# KiCad board skoosk pcb.kicad_pcb
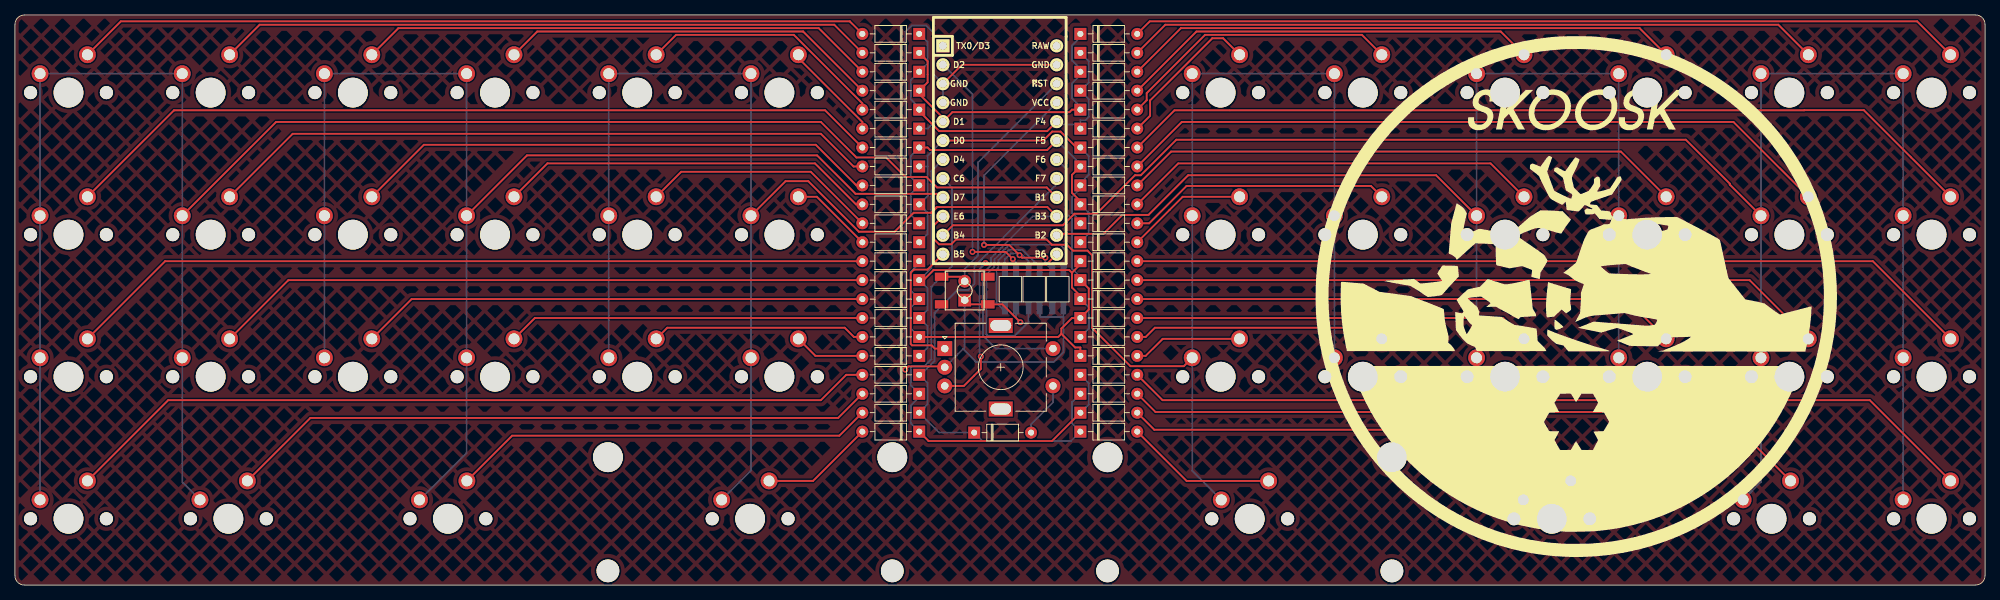
[diagram p0: board, top side]
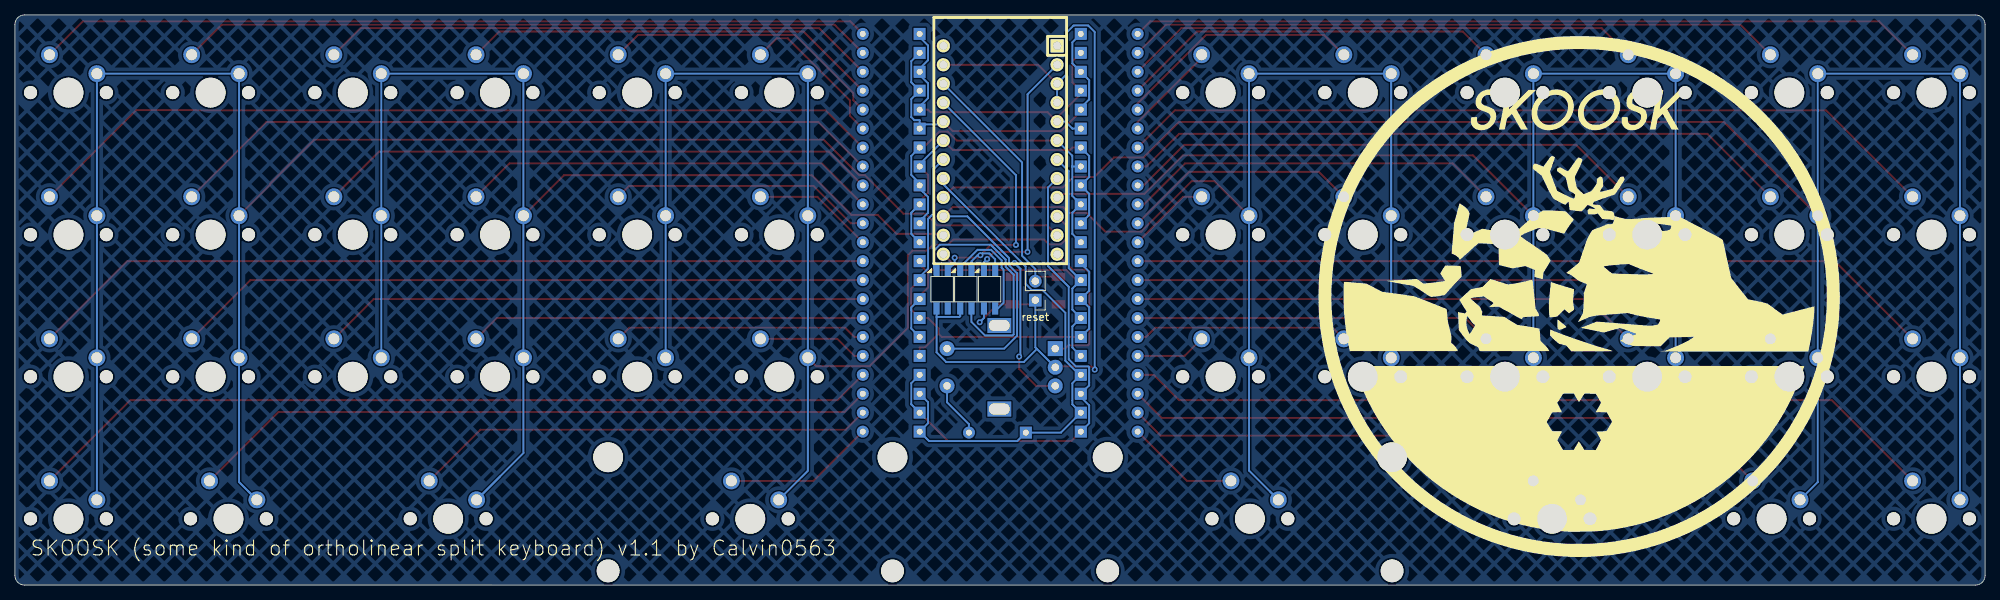
[diagram p1: board, bottom side, seen from below]

Outline 263.96 x 76.46 mm; copper layers: Top, Bottom. Coordinates in mm from the lower left corner of the outline.
Outline path: 0,75.19 0,1.27 arc(0.37,0.37) 1.27,0 262.69,0 arc(263.59,0.37) 263.96,1.27 263.96,75.19 arc(263.59,76.09) 262.69,76.46 1.27,76.46 arc(0.37,76.08) 0,75.19
Stack: Top 0.035mm / dielectric 1.51mm FR4 er 4.5 / Bottom 0.035mm

## Placement (name value [footprint] x y rotation side)
D1  D_Small  [D_DO-35_SOD27_P7.62mm_Horizontal]  121.16 73.92 180 top
D2  D_Small  [D_DO-35_SOD27_P7.62mm_Horizontal]  121.16 71.38 180 top
D3  D_Small  [D_DO-35_SOD27_P7.62mm_Horizontal]  121.16 68.84 180 top
D4  D_Small  [D_DO-35_SOD27_P7.62mm_Horizontal]  121.16 66.3 180 top
D5  D_Small  [D_DO-35_SOD27_P7.62mm_Horizontal]  121.16 63.76 180 top
D6  D_Small  [D_DO-35_SOD27_P7.62mm_Horizontal]  121.16 61.22 180 top
D7  D_Small  [D_DO-35_SOD27_P7.62mm_Horizontal]  142.75 61.22 0 top
D8  D_Small  [D_DO-35_SOD27_P7.62mm_Horizontal]  142.75 63.76 0 top
D9  D_Small  [D_DO-35_SOD27_P7.62mm_Horizontal]  142.75 66.3 0 top
D10  D_Small  [D_DO-35_SOD27_P7.62mm_Horizontal]  142.75 68.84 0 top
D11  D_Small  [D_DO-35_SOD27_P7.62mm_Horizontal]  142.75 71.38 0 top
D12  D_Small  [D_DO-35_SOD27_P7.62mm_Horizontal]  142.75 73.92 0 top
D13  D_Small  [D_DO-35_SOD27_P7.62mm_Horizontal]  121.16 58.68 180 top
D14  D_Small  [D_DO-35_SOD27_P7.62mm_Horizontal]  121.16 56.14 180 top
D15  D_Small  [D_DO-35_SOD27_P7.62mm_Horizontal]  121.16 53.6 180 top
D16  D_Small  [D_DO-35_SOD27_P7.62mm_Horizontal]  121.16 51.06 180 top
D17  D_Small  [D_DO-35_SOD27_P7.62mm_Horizontal]  121.16 48.52 180 top
D18  D_Small  [D_DO-35_SOD27_P7.62mm_Horizontal]  121.16 45.98 180 top
D19  D_Small  [D_DO-35_SOD27_P7.62mm_Horizontal]  142.75 45.98 0 top
D20  D_Small  [D_DO-35_SOD27_P7.62mm_Horizontal]  142.75 48.52 0 top
D21  D_Small  [D_DO-35_SOD27_P7.62mm_Horizontal]  142.75 51.06 0 top
D22  D_Small  [D_DO-35_SOD27_P7.62mm_Horizontal]  142.75 53.6 0 top
D23  D_Small  [D_DO-35_SOD27_P7.62mm_Horizontal]  142.75 56.14 0 top
D24  D_Small  [D_DO-35_SOD27_P7.62mm_Horizontal]  142.75 58.68 0 top
D25  D_Small  [D_DO-35_SOD27_P7.62mm_Horizontal]  121.16 43.44 180 top
D26  D_Small  [D_DO-35_SOD27_P7.62mm_Horizontal]  121.16 40.9 180 top
D27  D_Small  [D_DO-35_SOD27_P7.62mm_Horizontal]  121.16 38.36 180 top
D28  D_Small  [D_DO-35_SOD27_P7.62mm_Horizontal]  121.16 35.82 180 top
D29  D_Small  [D_DO-35_SOD27_P7.62mm_Horizontal]  121.16 33.28 180 top
D30  D_Small  [D_DO-35_SOD27_P7.62mm_Horizontal]  121.16 30.74 180 top
D31  D_Small  [D_DO-35_SOD27_P7.62mm_Horizontal]  142.75 30.74 0 top
D32  D_Small  [D_DO-35_SOD27_P7.62mm_Horizontal]  142.75 33.28 0 top
D33  D_Small  [D_DO-35_SOD27_P7.62mm_Horizontal]  142.75 35.82 0 top
D34  D_Small  [D_DO-35_SOD27_P7.62mm_Horizontal]  142.75 38.36 0 top
D35  D_Small  [D_DO-35_SOD27_P7.62mm_Horizontal]  142.75 40.9 0 top
D36  D_Small  [D_DO-35_SOD27_P7.62mm_Horizontal]  142.75 43.44 0 top
D37  D_Small  [D_DO-35_SOD27_P7.62mm_Horizontal]  121.16 28.2 180 top
D38  D_Small  [D_DO-35_SOD27_P7.62mm_Horizontal]  121.16 25.66 180 top
D39  D_Small  [D_DO-35_SOD27_P7.62mm_Horizontal]  121.16 23.12 180 top
D40  D_Small  [D_DO-35_SOD27_P7.62mm_Horizontal]  121.16 20.58 180 top
D41  D_Small  [D_DO-35_SOD27_P7.62mm_Horizontal]  142.75 20.58 0 top
D42  D_Small  [D_DO-35_SOD27_P7.62mm_Horizontal]  142.75 23.12 0 top
D43  D_Small  [D_DO-35_SOD27_P7.62mm_Horizontal]  142.75 25.66 0 top
D44  D_Small  [D_DO-35_SOD27_P7.62mm_Horizontal]  142.75 28.2 0 top
D51  D_Small  [D_DO-35_SOD27_P7.62mm_Horizontal]  128.52 20.45 0 top
Drgb1  WS2812-2020  [SK6812-MINI-E]  133.38 39.68 90 bottom
Drgb2  WS2812-2020  [SK6812-MINI-E]  136.56 39.68 90 bottom
Drgb3  WS2812-2020  [SK6812-MINI-E]  139.73 39.68 90 bottom
Gback  -  [LOGO]  54.31 38.62 180 bottom
Gfront  -  [LOGO]  209.27 38.62 0 top
MX1  MX-NoLED  [MXOnly-1U-NoLED]  7.18 66.04 0 top
MX2  MX-NoLED  [MXOnly-1U-NoLED]  26.23 66.04 0 top
MX3  MX-NoLED  [MXOnly-1U-NoLED]  45.28 66.04 0 top
MX4  MX-NoLED  [MXOnly-1U-NoLED]  64.33 66.04 0 top
MX5  MX-NoLED  [MXOnly-1U-NoLED]  83.38 66.04 0 top
MX6  MX-NoLED  [MXOnly-1U-NoLED]  102.43 66.04 0 top
MX7  MX-NoLED  [MXOnly-1U-NoLED]  161.54 66.04 0 top
MX8  MX-NoLED  [MXOnly-1U-NoLED]  180.59 66.04 0 top
MX9  MX-NoLED  [MXOnly-1U-NoLED]  199.64 66.04 0 top
MX10  MX-NoLED  [MXOnly-1U-NoLED]  218.69 66.04 0 top
MX11  MX-NoLED  [MXOnly-1U-NoLED]  237.74 66.04 0 top
MX12  MX-NoLED  [MXOnly-1U-NoLED]  256.79 66.04 0 top
MX13  MX-NoLED  [MXOnly-1U-NoLED]  7.18 46.99 0 top
MX14  MX-NoLED  [MXOnly-1U-NoLED]  26.23 46.99 0 top
MX15  MX-NoLED  [MXOnly-1U-NoLED]  45.28 46.99 0 top
MX16  MX-NoLED  [MXOnly-1U-NoLED]  64.33 46.99 0 top
MX17  MX-NoLED  [MXOnly-1U-NoLED]  83.38 46.99 0 top
MX18  MX-NoLED  [MXOnly-1U-NoLED]  102.43 46.99 0 top
MX19  MX-NoLED  [MXOnly-1U-NoLED]  161.54 46.99 0 top
MX20  MX-NoLED  [MXOnly-1U-NoLED]  180.59 46.99 0 top
MX21  MX-NoLED  [MXOnly-1U-NoLED]  199.64 46.99 0 top
MX22  MX-NoLED  [MXOnly-1U-NoLED]  218.69 46.99 0 top
MX23  MX-NoLED  [MXOnly-1U-NoLED]  237.74 46.99 0 top
MX24  MX-NoLED  [MXOnly-1U-NoLED]  256.79 46.99 0 top
MX25  MX-NoLED  [MXOnly-1U-NoLED]  7.18 27.94 0 top
MX26  MX-NoLED  [MXOnly-1U-NoLED]  26.23 27.94 0 top
MX27  MX-NoLED  [MXOnly-1U-NoLED]  45.28 27.94 0 top
MX28  MX-NoLED  [MXOnly-1U-NoLED]  64.33 27.94 0 top
MX29  MX-NoLED  [MXOnly-1U-NoLED]  83.38 27.94 0 top
MX30  MX-NoLED  [MXOnly-1U-NoLED]  102.43 27.94 0 top
MX31  MX-NoLED  [MXOnly-1U-NoLED]  161.54 27.94 0 top
MX32  MX-NoLED  [MXOnly-1U-NoLED]  180.59 27.94 0 top
MX33  MX-NoLED  [MXOnly-1U-NoLED]  199.64 27.94 0 top
MX34  MX-NoLED  [MXOnly-1U-NoLED]  218.69 27.94 0 top
MX35  MX-NoLED  [MXOnly-1U-NoLED]  237.74 27.94 0 top
MX36  MX-NoLED  [MXOnly-1U-NoLED]  256.79 27.94 0 top
MX37  MX-NoLED  [MXOnly-1U-NoLED]  7.18 8.89 0 top
MX38  MX-NoLED  [MXOnly-1.25U-NoLED]  28.6 8.89 0 top
MX39  MX-NoLED  [MXOnly-1.25U-NoLED]  58.01 8.89 0 top
MX40  MX-NoLED  [MXOnly-3U-ReversedStabilizers-NoLED]  98.5 8.89 0 top
MX41  MX-NoLED  [MXOnly-3U-ReversedStabilizers-NoLED]  165.44 8.89 0 top
MX42  MX-NoLED  [MXOnly-1.25U-NoLED]  205.92 8.89 0 top
MX43  MX-NoLED  [MXOnly-1.25U-NoLED]  235.36 8.89 0 top
MX44  MX-NoLED  [MXOnly-1U-NoLED]  256.79 8.89 0 top
SW1  SW_Push  [SKQG-1155865]  127.25 39.5 0 top
SW2  RotaryEncoder_Switch  [RotaryEncoder_Alps_EC11E-Switch_Vertical_H20mm]  132.08 29.21 0 top
SW3  SW_Push  [PinHeader_1x02_P2.54mm_Vertical]  127.25 38.21 0 bottom
U1  ProMicro  [ArduinoProMicro]  131.95 58.34 270 top

## Library data of the parts
D1-D44 D51 = -: Description: Diode, small symbol; Field4: K
Drgb1-Drgb3 = -: Description: RGB LED with integrated controller
SW1 SW3 = -: Description: Push button switch, generic, two pins
SW2 = -: Description: Rotary encoder, dual channel, incremental quadrate outputs, with switch

## Footprints (pads in the part's own frame, mm; a bottom-side part is the same pattern mirrored in y, then rotated)
ArduinoProMicro
  rect 1.753x1.753 hole 1.092: 1(-13.97,-7.62)
  round 1.753 hole 1.092: 2(-11.43,-7.62) 3(-8.89,-7.62) 4(-6.35,-7.62) 5(-3.81,-7.62) 6(-1.27,-7.62) 7(1.27,-7.62) 8(3.81,-7.62) 9(6.35,-7.62) 10(8.89,-7.62) 11(11.43,-7.62) 12(13.97,-7.62) 13(13.97,7.62) 14(11.43,7.62) 15(8.89,7.62) 16(6.35,7.62) 17(3.81,7.62) 18(1.27,7.62) 19(-1.27,7.62) 20(-3.81,7.62) 21(-6.35,7.62) 22(-8.89,7.62) 23(-11.43,7.62) 24(-13.97,7.62)
D_DO-35_SOD27_P7.62mm_Horizontal
  rect 1.6x1.6 hole 0.8: 1(0,0)
  oval 1.6x1.6 hole 0.8: 2(7.62,0)
MXOnly-1.25U-NoLED
  round 1.75 hole 1.75 unplated: (-5.08,0) (5.08,0)
  round 3.988 hole 3.988 unplated: (0,0)
  round 2.25 hole 1.47: 1(-3.81,2.54) 2(2.54,5.08)
MXOnly-1U-NoLED
  round 1.75 hole 1.75 unplated: (-5.08,0) (5.08,0)
  round 3.988 hole 3.988 unplated: (0,0)
  round 2.25 hole 1.47: 1(-3.81,2.54) 2(2.54,5.08)
MXOnly-3U-ReversedStabilizers-NoLED
  round 3.988 hole 3.988 unplated: (-19.05,8.255) (0,0) (19.05,8.255)
  round 3.048 hole 3.048 unplated: (-19.05,-6.985) (19.05,-6.985)
  round 1.75 hole 1.75 unplated: (-5.08,0) (5.08,0)
  round 2.25 hole 1.47: 1(-3.81,2.54) 2(2.54,5.08)
PinHeader_1x02_P2.54mm_Vertical
  rect 1.7x1.7 hole 1: 1(0,0)
  oval 1.7x1.7 hole 1: 2(0,-2.54)
RotaryEncoder_Alps_EC11E-Switch_Vertical_H20mm
  rect 2x2 hole 1: A(-7.5,2.5)
  round 2 hole 1: B(-7.5,-2.5) C(-7.5,0) S1(7,-2.5) S2(7,2.5)
  rect 3.2x2 hole 2.8x1.5: MP(0,5.6) MP(0,-5.6)
SK6812-MINI-E
  rect 1.7x0.82 smd: 1(-2.55,-0.75) 2(-2.55,0.75) 4(2.55,-0.75)
  rrect 1.7x0.82 smd: 3(2.55,0.75)
SKQG-1155865
  rect 1.8x1.1 smd: 1(3.1,-1.85) 2(-3.1,1.85) 3(3.1,1.85) 4(-3.1,-1.85)

## Nets
GND: Drgb1.2 Drgb2.2 Drgb3.2 SW1.1 SW2.C SW3.1 U1.3 U1.4 U1.23
VCC: Drgb1.4 Drgb2.4 Drgb3.4 U1.21
COL0: MX1.1 MX2.1 MX13.1 MX14.1 MX25.1 MX26.1 MX37.1 MX38.1 U1.16
COL1: MX3.1 MX4.1 MX15.1 MX16.1 MX27.1 MX28.1 MX39.1 U1.9
COL2: MX5.1 MX6.1 MX17.1 MX18.1 MX29.1 MX30.1 MX40.1 SW2.S2 U1.15
COL3: MX7.1 MX8.1 MX19.1 MX20.1 MX31.1 MX32.1 MX41.1 U1.10
COL4: MX9.1 MX10.1 MX21.1 MX22.1 MX33.1 MX34.1 MX42.1 U1.14
COL5: MX11.1 MX12.1 MX23.1 MX24.1 MX35.1 MX36.1 MX43.1 MX44.1 U1.11
rgb pin: Drgb1.3 U1.2
rotary_a: SW2.A U1.12
rotary_b: SW2.B U1.13
ROW0: D1.1 D3.1 D5.1 D7.1 D9.1 D11.1 U1.20
ROW1: D2.1 D4.1 D6.1 D8.1 D10.1 D12.1 U1.5
ROW2: D13.1 D15.1 D17.1 D19.1 D21.1 D23.1 U1.19
ROW3: D14.1 D16.1 D18.1 D20.1 D22.1 D24.1 U1.6
ROW4: D25.1 D27.1 D29.1 D31.1 D33.1 D35.1 U1.18
ROW5: D26.1 D28.1 D30.1 D32.1 D34.1 D36.1 U1.7
ROW6: D37.1 D39.1 D41.1 D43.1 D51.1 U1.17
ROW7: D38.1 D40.1 D42.1 D44.1 U1.8
Net-(D1-A): D1.2 MX1.2
Net-(D2-A): D2.2 MX2.2
Net-(D3-A): D3.2 MX3.2
Net-(D4-A): D4.2 MX4.2
Net-(D5-A): D5.2 MX5.2
Net-(D6-A): D6.2 MX6.2
Net-(D7-A): D7.2 MX7.2
Net-(D8-A): D8.2 MX8.2
Net-(D9-A): D9.2 MX9.2
Net-(D10-A): D10.2 MX10.2
Net-(D11-A): D11.2 MX11.2
Net-(D12-A): D12.2 MX12.2
Net-(D13-A): D13.2 MX13.2
Net-(D14-A): D14.2 MX14.2
Net-(D15-A): D15.2 MX15.2
Net-(D16-A): D16.2 MX16.2
Net-(D17-A): D17.2 MX17.2
Net-(D18-A): D18.2 MX18.2
Net-(D19-A): D19.2 MX19.2
Net-(D20-A): D20.2 MX20.2
Net-(D21-A): D21.2 MX21.2
Net-(D22-A): D22.2 MX22.2
Net-(D23-A): D23.2 MX23.2
Net-(D24-A): D24.2 MX24.2
Net-(D25-A): D25.2 MX25.2
Net-(D26-A): D26.2 MX26.2
Net-(D27-A): D27.2 MX27.2
Net-(D28-A): D28.2 MX28.2
Net-(D29-A): D29.2 MX29.2
Net-(D30-A): D30.2 MX30.2
Net-(D31-A): D31.2 MX31.2
Net-(D32-A): D32.2 MX32.2
Net-(D33-A): D33.2 MX33.2
Net-(D34-A): D34.2 MX34.2
Net-(D35-A): D35.2 MX35.2
Net-(D36-A): D36.2 MX36.2
Net-(D37-A): D37.2 MX37.2
Net-(D38-A): D38.2 MX38.2
Net-(D39-A): D39.2 MX39.2
Net-(D40-A): D40.2 MX40.2
Net-(D41-A): D41.2 MX41.2
Net-(D42-A): D42.2 MX42.2
Net-(D43-A): D43.2 MX43.2
Net-(D44-A): D44.2 MX44.2
Net-(D51-A): D51.2 SW2.S1
Net-(Drgb1-DOUT): Drgb1.1 Drgb2.3
Net-(Drgb2-DOUT): Drgb2.1 Drgb3.3
Net-(U1-RST): SW1.2 SW3.2 U1.22

Pads without a net: Drgb3 1; SW1 3 4; SW2 MP; U1 1 24

## Via types
v1: diameter 0.8, hole 0.4, Top to Bottom, 9 vias

## Routing (per net, layer and track width the routed paths; a pad name or vN(x,y) marks a point on that pad's centre or on a via; arc(x,y) is an arc through that point)
GND: length 127.4
  Top w0.254: v1(119.29,28.9) 119.72,29.32 124.47,29.32 SW2.C ; U1.23 126.87,69.77 U1.3 ; SW3.1 127.82,37.65 SW1.1 132.31,37.65 v1(134.71,35.25)
  Bottom w0.254: U1.4 U1.3 123.1,68.47 123.1,74.07 122.12,75.04 120.16,75.04 119.29,74.17 v1(119.29,28.9) ; 127.03,31.66 128.78,29.92 139.19,29.92 140.48,31.21 140.48,35.95 ; 127.03,31.66 SW2.C ; 127.03,31.66 127.25,31.88 SW3.1 ; 140.48,35.95 137.42,35.95 137.31,36.07 Drgb2.2 ; 140.48,35.95 Drgb3.2 ; Drgb1.2 134.13,35.82 v1(134.71,35.25)
VCC: length 40.7
  Top w0.254: v1(138.06,43.91) 134.93,43.91 v1(134.6,44.23) 133.22,45.62 v1(129.84,45.62)
  Bottom w0.254: Drgb3.4 138.06,43.15 v1(138.06,43.91) ; Drgb2.4 135.81,43.41 134.98,44.23 v1(134.6,44.23) 134.37,44.47 133.41,44.47 132.63,43.69 Drgb1.4 ; v1(129.84,45.62) 129.84,54.96 U1.21
COL0: length 260.9
  Top w0.254: U1.16 138.24,53.33 123.54,53.33 122.14,54.72 119.33,54.72 116.71,57.34 112.74,57.34 107.98,62.11 34.99,62.11 MX14.1
  Bottom w0.254: MX38.1 22.42,13.81 MX26.1 MX14.1 MX2.1 MX1.1 MX13.1 MX25.1 MX37.1
COL1: length 186.4
  Top w0.254: U1.9 123.85,52.47 112.63,52.47 107.47,57.63 68.61,57.63 MX16.1
  Bottom w0.254: MX39.1 60.52,17.74 MX28.1 MX16.1 MX4.1 MX3.1 MX15.1 MX27.1
COL2: length 204.9
  Top w0.254: U1.15 138.33,50.69 123.51,50.69 ; 123.51,50.69 123.51,50.65 122.79,49.93 120.41,49.93 117.87,47.39 113.07,47.39 106.29,54.17 103.25,54.17 MX18.1 ; 123.51,50.69 122.74,49.92
  Bottom w0.254: MX29.1 MX17.1 MX5.1 MX6.1 98.62,49.77 ; U1.15 136.36,49.45 130.77,43.85 130.77,42.88 129.7,41.82 129.7,33.43 131.42,31.71 SW2.S2 ; 98.62,49.77 MX18.1 ; 98.62,49.77 98.62,36.91 ; 95.81,12.55 MX40.1 95.81,12.55 ; 95.81,12.55 98.62,15.36 98.62,36.91 ; 98.62,36.91 MX30.1
COL3: length 167.9
  Top w0.254: U1.10 123.11,48.22 123.11,46.41 123.81,45.7 125.44,45.7 126.09,46.34 138.24,46.34 138.94,45.64 140.95,45.64 141.75,44.85 143.7,44.85 144.33,44.22 144.33,34.49 149.46,29.36 156.61,29.36 MX31.1
  Bottom w0.254: MX32.1 MX20.1 MX8.1 MX7.1 MX19.1 MX31.1 157.73,15.32 161.63,11.43 MX41.1
COL4: length 183.2
  Top w0.254: MX21.1 190.4,54.96 157.19,54.96 151.88,49.64 148.38,49.64 145.84,47.1 139.77,47.1 U1.14
  Bottom w0.254: 198.97,14.57 MX42.1 198.97,14.57 ; 198.97,14.57 195.83,17.71 MX33.1 MX21.1 MX9.1 MX10.1 MX22.1 MX34.1
COL5: length 255.2
  Top w0.254: U1.11 125.67,48.25 140.4,48.25 141.95,49.8 144.91,49.8 150.07,54.96 150.84,54.96 155.61,59.72 223.87,59.72 229.76,53.83 229.76,53.71 MX23.1
  Bottom w0.254: 232.74,12.63 233.93,13.82 MX35.1 MX23.1 MX11.1 MX12.1 MX24.1 MX36.1 MX44.1 ; 232.74,12.63 MX43.1 232.74,12.63
rgb pin: length 34.2
  Top w0.254: v1(128.29,44.68) 132.74,44.68 v1(133.7,43.72)
  Bottom w0.254: v1(133.7,43.72) 134.13,43.29 Drgb1.3 ; v1(128.29,44.68) 128.29,65.81 U1.2
rotary_a: length 19.7
  Top w0.254: U1.12 122.27,42.31 120.45,42.31 120.02,41.88 120.02,32.32 120.19,32.15 122.82,32.15 123.25,31.71 SW2.A
rotary_b: length 31.2
  Top w0.254: SW2.B 127.14,26.71 129.41,28.99 v1(129.41,30.64) ; v1(130.04,43.19) 130.26,42.97 138.17,42.97 U1.13
  Bottom w0.254: v1(129.41,30.64) 129.24,30.81 129.24,42.39 129.66,42.81 ; 129.66,42.81 v1(130.04,43.19) ; 129.66,42.81 129.24,42.39
ROW0: length 48.1
  Top w0.254: D5.1 121.16,63.55 123.82,60.88 138.3,60.88 U1.20
  Bottom w0.254: U1.20 139.94,61.78 142.75,61.78 ; D5.1 121.16,64.01 120.03,65.14 120.03,67.71 D3.1 122.29,69.96 122.29,72.79 D1.1 ; 142.75,61.78 D7.1 ; 142.75,61.78 142.75,62.34 143.45,62.34 143.88,62.77 143.88,65.17 D9.1 143.88,67.42 143.88,70.25 D11.1
ROW1: length 46.1
  Top w0.254: D8.1 141.62,63.76 141.29,63.42 125.6,63.42 U1.5 124.33,62.68 121.16,65.86 D4.1 122.29,67.42 122.29,70.25 D2.1
  Bottom w0.254: U1.5 123.22,62.15 122.29,61.22 D6.1 ; D8.1 142.75,64.18 141.62,65.31 141.62,67.29 142.75,68.41 D10.1 142.75,69.26 141.62,70.39 141.62,72.37 142.75,73.49 D12.1
ROW2: length 47.9
  Top w0.254: U1.19 138.3,58.34 122.62,58.34 122.29,58.68 D13.1 ; D23.1 141.62,55.01 141.62,52.61 142.75,51.48 D21.1
  Bottom w0.254: U1.19 142.75,56.44 D23.1 ; D17.1 120.03,49.64 120.03,52.47 D15.1 120.03,54.72 120.03,57.55 D13.1 ; D19.1 143.88,47.1 143.88,49.93 D21.1
ROW3: length 48.9
  Top w0.254: D24.1 142.24,58.68 140.1,60.82 138.98,60.82 137.77,59.61 U1.6
  Bottom w0.254: U1.6 122.3,57.58 122.3,56.14 ; 122.3,56.14 D14.1 ; 122.3,56.14 122.3,52.2 D16.1 122.29,49.93 122.29,47.1 D18.1 ; D24.1 143.88,57.55 143.88,55.01 142.75,53.88 D22.1 142.75,53.17 141.62,52.05 141.62,49.93 142.75,48.8 D20.1
ROW4: length 63
  Top w0.254: D29.1 139.78,33.28 140.21,33.7 ; D31.1 142.75,31.86 142.04,31.86 140.21,33.7 ; 140.21,33.7 140.21,34.4 141.62,35.82 D33.1 143.88,36.94 143.88,39.77 D35.1
  Bottom w0.254: D29.1 120.03,34.4 120.03,37.23 D27.1 120.03,39.48 120.03,42.02 121.16,43.15 D25.1 ; U1.18 140.91,55.73 140.91,49.82 141.62,49.1 141.62,42.45 142.75,41.32 D35.1
ROW5: length 62.7
  Top w0.254: D36.1 142.75,43.01 141.62,41.89 ; 141.62,41.89 141.62,39.91 142.75,38.78 D34.1 ; 141.62,41.89 141.26,42.25 123.08,42.25 121.73,40.9 D26.1
  Bottom w0.254: D30.1 122.29,31.86 122.29,34.69 D28.1 122.29,36.94 122.29,39.77 D26.1 122.77,42.51 122.77,55.51 U1.7 ; D34.1 143.88,37.23 143.88,34.4 D32.1
ROW6: length 70.7
  Bottom w0.254: U1.17 139.57,53.75 128.54,42.72 128.54,40.38 127.74,39.58 126.29,39.58 123.22,36.51 123.22,30.09 121.29,28.15 121.16,28.15 D37.1 122.29,27.07 122.29,24.25 D39.1 123.83,20.45 D51.1 129.66,19.31 141.49,19.31 D41.1 141.62,21.7 141.62,24.53 D43.1
ROW7: length 68.9
  Top w0.254: D40.1 122.41,19.32 138.95,19.32 D42.1
  Bottom w0.254: D42.1 143.88,24.24 143.88,27.07 D44.1 ; D40.1 120.03,21.7 120.03,24.09 121.09,25.16 121.16,25.09 D38.1 120.03,26.78 120.03,29.2 120.16,29.32 121.82,29.32 122.77,30.28 122.77,40 125.56,42.79 125.56,53.3 U1.8
Net-(D1-A): length 106.4
  Top w0.254: D1.2 111.86,75.6 14.19,75.6 MX1.2
Net-(D2-A): length 88
  Top w0.254: D2.2 109.77,75.15 32.79,75.15 MX2.2
Net-(D3-A): length 69.6
  Top w0.254: D3.2 107.68,74.69 51.38,74.69 MX3.2
Net-(D4-A): length 51.3
  Top w0.254: MX4.2 69.98,74.24 105.6,74.24 105.6,74.23 D4.2
Net-(D5-A): length 33.4
  Top w0.254: D5.2 113.54,64.6 104.36,73.78 88.58,73.78 MX5.2
Net-(D6-A): length 13.5
  Top w0.254: D6.2 113.54,62.11 104.97,70.68 MX6.2
Net-(D7-A): length 20.9
  Top w0.254: MX7.2 161.88,73.33 160.43,73.33 152.09,64.99 152.09,62.94 D7.2
Net-(D8-A): length 38.6
  Top w0.254: D8.2 151.64,65.03 151.64,65.97 159.45,73.78 180.47,73.78 MX8.2
Net-(D9-A): length 56.4
  Top w0.254: MX9.2 199.07,74.24 158.31,74.24 D9.2
Net-(D10-A): length 74.8
  Top w0.254: MX10.2 217.67,74.69 156.22,74.69 D10.2
Net-(D11-A): length 93.1
  Top w0.254: MX11.2 236.26,75.15 154.14,75.15 D11.2
Net-(D12-A): length 111.5
  Top w0.254: MX12.2 254.86,75.6 152.05,75.6 D12.2
Net-(D13-A): length 110.7
  Top w0.254: MX13.2 21.31,63.67 108.54,63.67 D13.2
Net-(D14-A): length 90.1
  Top w0.254: D14.2 112.36,56.14 107.98,60.52 37.21,60.52 MX14.2
Net-(D15-A): length 70.9
  Top w0.254: MX15.2 54.79,59.04 107.3,59.04 112.75,53.6 D15.2
Net-(D16-A): length 50.8
  Top w0.254: D16.2 112.68,51.06 107.19,56.55 71.34,56.55 MX16.2
Net-(D17-A): length 31.9
  Top w0.254: D17.2 106.63,55.42 89.27,55.42 MX17.2
Net-(D18-A): length 11.1
  Top w0.254: MX18.2 107.44,52.07 D18.2
Net-(D19-A): length 16.2
  Top w0.254: MX19.2 156.46,52.07 D19.2
Net-(D20-A): length 35.4
  Top w0.254: MX20.2 181.68,53.52 156.97,53.52 151.96,48.52 D20.2
Net-(D21-A): length 55.9
  Top w0.254: MX21.2 197.71,56.55 155.86,56.55 D21.2
Net-(D22-A): length 75.3
  Top w0.254: D22.2 154.91,58.14 215.17,58.14 MX22.2
Net-(D23-A): length 96.5
  Top w0.254: MX23.2 230.25,62.11 156.34,62.11 D23.2
Net-(D24-A): length 115.9
  Top w0.254: MX24.2 247.71,63.69 239.74,63.69 239.72,63.67 155.36,63.67 D24.2
Net-(D25-A): length 108.1
  Top w0.254: MX25.2 20.13,43.44 D25.2
Net-(D26-A): length 88
  Top w0.254: MX26.2 36.64,40.9 D26.2
Net-(D27-A): length 67.9
  Top w0.254: D27.2 53.15,38.36 MX27.2
Net-(D28-A): length 47.8
  Top w0.254: D28.2 69.66,35.82 MX28.2
Net-(D29-A): length 28.8
  Top w0.254: MX29.2 87.41,34.51 111.17,34.51 112.41,33.28 D29.2
Net-(D30-A): length 9.5
  Top w0.254: MX30.2 107.25,30.74 D30.2
Net-(D31-A): length 14.7
  Top w0.254: D31.2 151.5,30.74 153.78,33.02 MX31.2
Net-(D32-A): length 33.9
  Top w0.254: D32.2 151.5,33.28 152.73,34.51 181.64,34.51 MX32.2
Net-(D33-A): length 53
  Top w0.254: D33.2 199.39,35.82 MX33.2
Net-(D34-A): length 73.1
  Top w0.254: MX34.2 215.9,38.36 D34.2
Net-(D35-A): length 93.2
  Top w0.254: MX35.2 232.41,40.9 D35.2
Net-(D36-A): length 113.3
  Top w0.254: D36.2 248.92,43.44 MX36.2
Net-(D37-A): length 109.7
  Top w0.254: MX37.2 20.54,24.8 107.98,24.8 111.38,28.2 D37.2
Net-(D38-A): length 87.2
  Top w0.254: D38.2 110.3,22.42 39.59,22.42 MX38.2
Net-(D39-A): length 56.8
  Top w0.254: D39.2 110.46,20.04 66.62,20.04 MX39.2
Net-(D40-A): length 15.2
  Top w0.254: D40.2 106.93,13.97 MX40.2
Net-(D41-A): length 20.3
  Top w0.254: D41.2 156.98,13.97 MX41.2
Net-(D42-A): length 61.9
  Top w0.254: MX42.2 201.6,20.83 152.65,20.83 D42.2
Net-(D43-A): length 92.4
  Top w0.254: D43.2 152.81,23.21 228.66,23.21 MX43.2
Net-(D44-A): length 114.9
  Top w0.254: MX44.2 248.51,24.8 153.77,24.8 D44.2
Net-(D51-A): length 7.5
  Bottom w0.254: D51.2 136.14,21.58 139.08,24.51 SW2.S1
Net-(Drgb1-DOUT): length 14.7
  Bottom w0.254: Drgb2.3 137.31,42.65 134.99,44.96 133.18,44.96 131.77,43.55 131.77,42.55 131.51,42.29 131.51,37.86 132.24,37.13 Drgb1.1
Net-(Drgb2-DOUT): length 32.3
  Bottom w0.254: Drgb2.1 135.81,35.29 133.99,33.48 130.31,33.48 130.15,33.63 130.15,41.63 131.22,42.7 131.22,43.64 133.22,45.64 140.04,45.64 140.83,44.85 140.83,42.58 Drgb3.3
Net-(U1-RST): length 34.9
  Top w0.254: SW1.2 126.66,41.35 SW3.2
  Bottom w0.254: U1.22 129.03,56.68 129.03,44.16 127.25,42.39 SW3.2

## Copper pours and planes (outline as drawn; the poured copper is in the pictures)
(no net) on Top, Bottom: 272.92,-2.03 -8.89,-2.03 -8.76,76.71 272.8,76.58

## Text on the board
B.Silkscreen: reset | SKOOSK (some kind of ortholinear split keyboard) v1.1 by Calvin0563
